# Allegro board RK3588S_Tablet_Demo_LP4XD200P232SD10H2_V11_20220218.brd (continued)
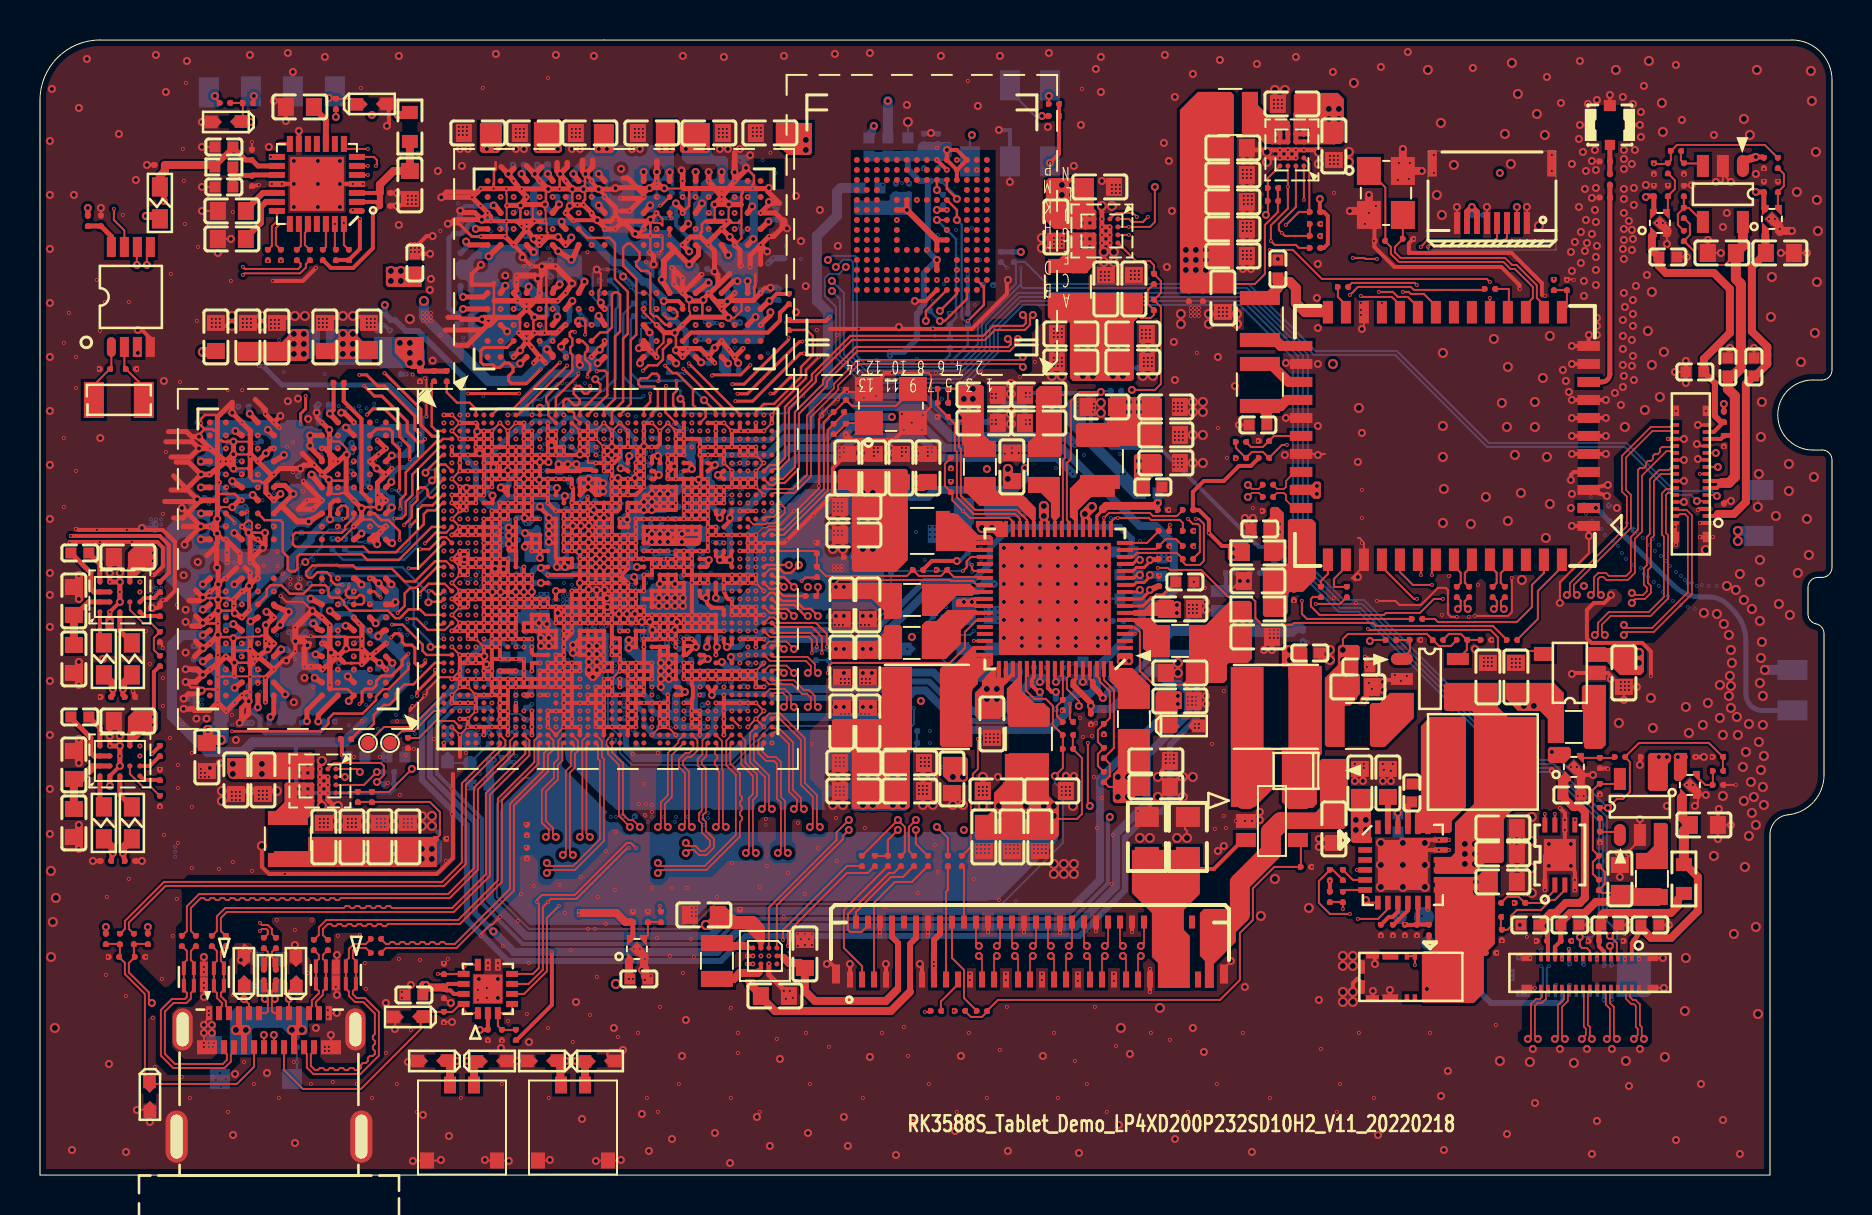
[diagram p0: board, top side]
## Nets (continued)
DDR_CH1_DQ7_C: U1000.D16(DDR_CH1_DQ7_C) U3801.B4(DQ7_A)
DDR_CH1_DQ7_D: U1000.C29(DDR_CH1_DQ7_D) U3801.AA4(DQ7_B)
DDR_CH1_DQ8_C: U1000.D10(DDR_CH1_DQ8_C) U3801.B11(DQ8_A)
DDR_CH1_DQ8_D: U1000.D34(DDR_CH1_DQ8_D) U3801.AA11(DQ8_B)
DDR_CH1_DQ9_C: U1000.B12(DDR_CH1_DQ9_C) U3801.C11(DQ9_A)
DDR_CH1_DQ9_D: U1000.D29(DDR_CH1_DQ9_D) U3801.Y11(DQ9_B)
DDR_CH1_DQ10_C: U1000.A12(DDR_CH1_DQ10_C) U3801.E11(DQ10_A)
DDR_CH1_DQ10_D: U1000.E29(DDR_CH1_DQ10_D) U3801.V11(DQ10_B)
DDR_CH1_DQ11_C: U1000.C10(DDR_CH1_DQ11_C) U3801.F11(DQ11_A)
DDR_CH1_DQ11_D: U1000.E32(DDR_CH1_DQ11_D) U3801.U11(DQ11_B)
DDR_CH1_DQ12_C: U1000.C13(DDR_CH1_DQ12_C) U3801.F9(DQ12_A)
DDR_CH1_DQ12_D: U1000.B32(DDR_CH1_DQ12_D) U3801.U9(DQ12_B)
DDR_CH1_DQ13_C: U1000.E13(DDR_CH1_DQ13_C) U3801.E9(DQ13_A)
DDR_CH1_DQ13_D: U1000.C34(DDR_CH1_DQ13_D) U3801.V9(DQ13_B)
DDR_CH1_DQ14_C: U1000.A16(DDR_CH1_DQ14_C) U3801.C9(DQ14_A)
DDR_CH1_DQ14_D: U1000.C32(DDR_CH1_DQ14_D) U3801.Y9(DQ14_B)
DDR_CH1_DQ15_C: U1000.B16(DDR_CH1_DQ15_C) U3801.B9(DQ15_A)
DDR_CH1_DQ15_D: U1000.A32(DDR_CH1_DQ15_D) U3801.AA9(DQ15_B)
DDR_CH1_DQS0N_C: U1000.B9(DDR_CH1_DQS0N_C) U3801.E3(DQS0_C_A)
DDR_CH1_DQS0N_D: U1000.A41(DDR_CH1_DQS0N_D) U3801.V3(DQS0_C_B)
DDR_CH1_DQS0P_C: U1000.A9(DDR_CH1_DQS0P_C) U3801.D3(DQS0_T_A)
DDR_CH1_DQS0P_D: U1000.B41(DDR_CH1_DQS0P_D) U3801.W3(DQS0_T_B)
DDR_CH1_DQS1N_C: U1000.A4(DDR_CH1_DQS1N_C) U3801.E10(DQS1_C_A)
DDR_CH1_DQS1N_D: U1000.C36(DDR_CH1_DQS1N_D) U3801.V10(DQS1_C_B)
DDR_CH1_DQS1P_C: U1000.A3(DDR_CH1_DQS1P_C) U3801.D10(DQS1_T_A)
DDR_CH1_DQS1P_D: U1000.D36(DDR_CH1_DQS1P_D) U3801.W10(DQS1_T_B)
DDR_CH1_LP4/4X_CKE0_C: R3814.1 U1000.A18(DDR_CH1_LP4/4X_CKE0/LP5_CS0_C)
DDR_CH1_LP4/4X_CKE0_D: R3816.2 U1000.A35(DDR_CH1_LP4/4X_CKE0/LP5_CS0_D)
DDR_CH1_LP4/4X_CKE1_C: R3815.1 U1000.A13(DDR_CH1_LP4/4X_CKE1/LP5_CS1_C)
DDR_CH1_LP4/4X_CKE1_D: R3817.2 U1000.A31(DDR_CH1_LP4/4X_CKE1/LP5_CS1_D)
DDR_CH1_LP4/4X_CS0_C: U1000.B15(DDR_CH1_LP4/4X_CS0_C) U3801.H4(CS0_A)
DDR_CH1_LP4/4X_CS0_D: U1000.B30(DDR_CH1_LP4/4X_CS0_D) U3801.R4(CS0_B)
DDR_CH1_LP4/4X_CS1_C: U1000.A19(DDR_CH1_LP4/4X_CS1_C) U3801.H3(CS1_A)
DDR_CH1_LP4/4X_CS1_D: U1000.A23(DDR_CH1_LP4/4X_CS1_D) U3801.R3(CS1_B)
DDR_RESET: C3898.1 C3899.1 U1000.AG1(DDR_CH0_RESET_A) U3800.T11(RESET_N) U3801.T11(RESET_N)
EMMC_CLKOUT: C9634.2 R1309.2 U4000.M6(CLK)
EMMC_CMD: R4003.2 U1000.AE42(GPIO2_A0_U) U4000.M5(CMD)
EMMC_D0: R4002.2 U1000.Y41(GPIO2_D0_U) U4000.A3(DATA0)
EMMC_D1: U1000.Y40(GPIO2_D1_U) U4000.A4(DATA1)
EMMC_D2: U1000.AA41(GPIO2_D2_U) U4000.A5(DATA2)
EMMC_D3: U1000.AA42(GPIO2_D3_U) U4000.B2(DATA3)
EMMC_D4: U1000.AB42(GPIO2_D4_U) U4000.B3(DATA4)
EMMC_D5: U1000.AD42(GPIO2_D5_U) U4000.B4(DATA5)
EMMC_D6: U1000.AD41(GPIO2_D6_U) U4000.B5(DATA6)
EMMC_D7: U1000.AE41(GPIO2_D7_U) U4000.B6(DATA7)
EMMC_DATA_STROBE: R4005.1 U1000.AC40(GPIO2_A2_D)
EMMC_RSTN: R4004.2 U1000.AD40(GPIO2_A3_D) U4000.K5(RST_N)
FLASH_LED: C9615.1 J1.1 U7003.3(OUT)
FLASH_LED_EN: U1000.AV39(GPIO3_B1_D) U7003.4(CTRL)
GAUGE_ALRT: U1000.AG39(GPIO0_D0_D) U2000.5(ALRT_N)
HDMI/EDP_TX0_REXT: R1708.1 U1000.AY3(HDMI/EDP_TX0_REXT)
HOST_WAKE_BT: R6338.2 U6300.49(BT_WAKE)
HOST_WAKE_BT_H: R6338.1 U1000.AH42(GPIO0_C6_U)
I2C0_SCL_M2: R1111.2 U1000.AH41(GPIO0_D1_U) U2300.A3(SCL) U2301.A3(SCL)
I2C0_SDA_M2: R1112.2 U1000.AG41(GPIO0_D2_U) U2300.B1(SDA) U2301.B1(SDA)
I2C2_SCL_M0: R1113.2 U1000.AK39(GPIO0_B7_D) U2302.A3(SCL)
I2C2_SDA_M0: R1114.2 U1000.AM40(GPIO0_C0_D) U2302.B1(SDA)
I2C3_SCL_M1_SENSOR: J7002.3 J7007.1 R1904.2 U1000.AY34(GPIO3_B7_D)
I2C3_SDA_M1_SENSOR: J7002.4 J7008.1 R1905.2 U1000.AR36(GPIO3_C0_D)
I2C4_SCL_M3_TP: R1911.2 R5515.1 R9698.1 U1000.L39(GPIO1_A3_D)
I2C4_SDA_M3_TP: R1910.2 R5516.1 R9699.1 U1000.D38(GPIO1_A2_D)
I2C5_SCL_M3_CAM: J4700.4 R1916.2 U1000.L38(GPIO1_B6_U)
I2C5_SDA_M3_CAM: J4700.5 R1917.2 U1000.F37(GPIO1_B7_U)
I2C6_SCL_M3: R1914.2 R9685.1 U1000.AU22(GPIO4_B1_U) U2000.7(SCL) U2102.6(SCL) U2600.6(SCL)
I2C6_SDA_M3: R1915.2 R9686.1 U1000.AW27(GPIO4_B0_D) U2000.8(SDA) U2102.5(SDA) U2600.7(SDA)
I2C7_SCL_M0_CODEC: R1510.2 U1000.U37(GPIO1_D0_D) U7000.28(CCLK) U7004.E4(SCL) U7005.E4(SCL)
I2C7_SDA_M0_CODEC: R1509.2 U1000.U38(GPIO1_D1_D) U7000.27(CDATA) U7004.E3(SDA) U7005.E3(SDA)
I2C8_SCL_M2_CAM: J4600.4 R1921.2 U1000.L37(GPIO1_D6_U)
I2C8_SDA_M2_CAM: J4600.5 R1922.2 U1000.G38(GPIO1_D7_U)
I2C_ADDR_CE: R7009.1 U7000.26(CE)
I2S0_LRCK_TX: U1000.P39(GPIO1_C5_D) U7000.7(LRCK)
I2S0_MCLK: U1000.U36(GPIO1_C2_D) U7000.1(MCLK)
I2S0_SCLK_TX: U1000.M42(GPIO1_C3_D) U7000.5(SCLK)
I2S0_SDI0: U1000.N42(GPIO1_D4_D) U7000.8(ASDOUT)
I2S0_SDO0: U1000.P41(GPIO1_C7_D) U7000.6(DSDIN)
I2S2_LRCK_M1_BT: U1000.AW37(GPIO3_B6_D) U6300.21(BT_PCM_SYNC)
I2S2_SCLK_M1_BT: U1000.AY35(GPIO3_B5_U) U6300.22(BT_PCM_CLK)
I2S2_SDI_M1_BT: U1000.AW34(GPIO3_B2_D) U6300.19(BT_PCM_OUT)
I2S2_SDO_M1_BT: U1000.AW35(GPIO3_B3_U) U6300.20(BT_PCM_IN)
LCD_BL_PWM14_M1: R5605.1 U1000.AT15(GPIO4_B2_U)
LCD_ENN_H: J7012.A1(ENN) U1000.M40(GPIO1_A5_D)
LCD_ENP_H: J7012.B1(ENP) U1000.G39(GPIO1_B1_D)
LCD_PWREN_H: R9694.1 U1000.AY19(GPIO4_A3_D)
LCD_RESET_L: R5512.1 U1000.H39(GPIO1_B0_U)
LEDA: C5607.1 D5600.2(K) J5500.60 J5500.61 U5602.5(OV)
LEDK: J5500.52 J5500.53 J5500.54 J5500.55 J5500.56 J5500.57 R5609.1 R5613.1 U5602.3(FB)
LOUT2: C9624.1 U7000.15(LOUT2)
MIC1N: C7010.2 J7014.2
MIC1P: C7009.2 J7014.1
MIC2N: C7012.2 J7014.24
MIC2P: C7011.2 J7014.23
MIPI_CAM1_CLKOUT: J4700.11 U1000.AV37(GPIO3_A6_D)
MIPI_CAM1_PWREN_H: R4733.1 R4734.1 R4740.1 R4760.1 U1000.G37(GPIO1_A4_D)
MIPI_CAM1_RST_L: J4700.8 U1000.M38(GPIO1_B2_D)
MIPI_CAM3_CLKOUT: J4600.11 U1000.AR39(GPIO3_B0_U)
MIPI_CAM3_PDN_L: J4600.9 U1000.AV30(GPIO3_C6_U)
MIPI_CAM3_PWREN_H: R4638.1 R4639.1 R4644.1 R9668.1 U1000.AV34(GPIO3_C5_U)
MIPI_CAM3_RST_L: J4600.8 U1000.AU34(GPIO3_C4_U)
MIPI_CSI0_RX_CLK0N: J4600.22 U1000.AN41(MIPI_CSI0_CLK0N)
MIPI_CSI0_RX_CLK0P: J4600.23 U1000.AN42(MIPI_CSI0_CLK0P)
MIPI_CSI0_RX_D0N: J4600.16 U1000.AL41(MIPI_CSI0_D0N)
MIPI_CSI0_RX_D0P: J4600.17 U1000.AL42(MIPI_CSI0_D0P)
MIPI_CSI0_RX_D1N: J4600.19 U1000.AK42(MIPI_CSI0_D1N)
MIPI_CSI0_RX_D1P: J4600.20 U1000.AK41(MIPI_CSI0_D1P)
MIPI_CSI0_RX_D2N: J4600.25 U1000.AT42(MIPI_CSI0_D2N)
MIPI_CSI0_RX_D2P: J4600.26 U1000.AT41(MIPI_CSI0_D2P)
MIPI_CSI0_RX_D3N: J4600.28 U1000.AP41(MIPI_CSI0_D3N)
MIPI_CSI0_RX_D3P: J4600.29 U1000.AP42(MIPI_CSI0_D3P)
MIPI_D/C_PHY0_VREG: C1604.1 U1000.AT33(MIPI_D/C_PHY0_VREG)
MIPI_D/C_PHY1_VREG: C1612.1 U1000.AT27(MIPI_D/C_PHY1_VREG)
MIPI_DPHY0_RX_CLKN: J4700.22 U1000.BA41(MIPI_DPHY0_RX_CLKN/MIPI_CPHY0_R)
MIPI_DPHY0_RX_CLKP: J4700.23 U1000.BB41(MIPI_DPHY0_RX_CLKP/MIPI_CPHY0_R)
MIPI_DPHY0_RX_D0N: J4700.16 U1000.BB38(MIPI_DPHY0_RX_D0N/MIPI_CPHY0_RX)
MIPI_DPHY0_RX_D0P: J4700.17 U1000.BA38(MIPI_DPHY0_RX_D0P/MIPI_CPHY0_RX)
MIPI_DPHY0_RX_D1N: J4700.19 U1000.AY40(MIPI_DPHY0_RX_D1N/MIPI_CPHY0_RX)
MIPI_DPHY0_RX_D1P: J4700.20 U1000.BA40(MIPI_DPHY0_RX_D1P/MIPI_CPHY0_RX)
MIPI_DPHY0_RX_D2N: J4700.25 U1000.BA42(MIPI_DPHY0_RX_D2N/MIPI_CPHY0_RX)
MIPI_DPHY0_RX_D2P: J4700.26 U1000.AY42(MIPI_DPHY0_RX_D2P/MIPI_CPHY0_RX)
MIPI_DPHY0_RX_D3N: J4700.28 U1000.AW42(MIPI_DPHY0_RX_D3N/MIPI_CPHY0_RX)
MIPI_DPHY0_RX_D3P: J4700.29 U1000.AW41(MIPI_DPHY0_RX_D3P/NO_USE)
MIPI_DPHY0_TX_CLKN: J5500.28 U1000.BA34(MIPI_DPHY0_TX_CLKN/MIPI_CPHY0_T)
MIPI_DPHY0_TX_CLKP: J5500.29 U1000.BB34(MIPI_DPHY0_TX_CLKP/MIPI_CPHY0_T)
MIPI_DPHY0_TX_D0N: J5500.25 U1000.BA31(MIPI_DPHY0_TX_D0N/MIPI_CPHY0_TX)
MIPI_DPHY0_TX_D0P: J5500.26 U1000.BB31(MIPI_DPHY0_TX_D0P/MIPI_CPHY0_TX)
MIPI_DPHY0_TX_D1N: J5500.31 U1000.BB32(MIPI_DPHY0_TX_D1N/MIPI_CPHY0_TX)
MIPI_DPHY0_TX_D1P: J5500.32 U1000.BA32(MIPI_DPHY0_TX_D1P/MIPI_CPHY0_TX)
MIPI_DPHY0_TX_D2N: J5500.34 U1000.BB35(MIPI_DPHY0_TX_D2N/MIPI_CPHY0_TX)
MIPI_DPHY0_TX_D2P: J5500.35 U1000.BA35(MIPI_DPHY0_TX_D2P/MIPI_CPHY0_TX)
MIPI_DPHY0_TX_D3N: J5500.22 U1000.BA37(MIPI_DPHY0_TX_D3N/MIPI_CPHY0_TX)
MIPI_DPHY0_TX_D3P: J5500.23 U1000.BB37(MIPI_DPHY0_TX_D3P/NO_USE)
MIPI_DPHY1_TX_CLKN: J5500.43 U1000.BA19(MIPI_DPHY1_TX_CLKN/MIPI_CPHY1_T)
MIPI_DPHY1_TX_CLKP: J5500.44 U1000.BB19(MIPI_DPHY1_TX_CLKP/MIPI_CPHY1_T)
MIPI_DPHY1_TX_D0N: J5500.40 U1000.BA16(MIPI_DPHY1_TX_D0N/MIPI_CPHY1_TX)
MIPI_DPHY1_TX_D0P: J5500.41 U1000.BB16(MIPI_DPHY1_TX_D0P/MIPI_CPHY1_TX)
MIPI_DPHY1_TX_D1N: J5500.46 U1000.BB17(MIPI_DPHY1_TX_D1N/MIPI_CPHY1_TX)
MIPI_DPHY1_TX_D1P: J5500.47 U1000.BA17(MIPI_DPHY1_TX_D1P/MIPI_CPHY1_TX)
MIPI_DPHY1_TX_D2N: J5500.49 U1000.BB20(MIPI_DPHY1_TX_D2N/MIPI_CPHY1_TX)
MIPI_DPHY1_TX_D2P: J5500.50 U1000.BA20(MIPI_DPHY1_TX_D2P/MIPI_CPHY1_TX)
MIPI_DPHY1_TX_D3N: J5500.37 U1000.BA22(MIPI_DPHY1_TX_D3N/MIPI_CPHY1_TX)
MIPI_DPHY1_TX_D3P: J5500.38 U1000.BB22(MIPI_DPHY1_TX_D3P/NO_USE)
MIPI_TE0: R5511.1 U1000.AV40(GPIO3_C2_D)
OTG0_REXT: R1404.1 U1000.AU7(TYPEC0_USB20_OTG0_REXT)
PCIE20_0_REFCLKN: C6322.2 U1000.K41(PCIE20_0_REFCLKN)
PCIE20_0_REFCLKP: C6321.2 U1000.L42(PCIE20_0_REFCLKP)
PCIE20_0_RXN: C6241.2 U1000.J41(PCIE20_0_RXN/SATA30_0_RXN)
PCIE20_0_RXP: C6240.2 U1000.J42(PCIE20_0_RXP/SATA30_0_RXP)
PCIE20_0_TXN: C6312.2 U1000.H42(PCIE20_0_TXN/SATA30_0_TXN)
PCIE20_0_TXP: C6311.2 U1000.H41(PCIE20_0_TXP/SATA30_0_TXP)
PCIE20_CLKREQN_1V8: R6331.2 U6300.37(PCIE_CLKREQ_L)
PCIE20_PERSTN_1V8: C6230.1 R6334.2 U6300.12(PCIE_PERST_L)
PCIE20_WAKEN_1V8: R6333.2 U6300.24(PCIE_PME_L)
PCIE20X1_2_CLKREQN_M0: R6331.1 U1000.AU30(GPIO3_C7_U)
PCIE20X1_2_PERSTN_M0: R6334.1 U1000.AY27(GPIO3_D1_D)
PCIE20X1_2_WAKEN_M0: R6333.1 U1000.AW31(GPIO3_D0_U)
PCIE_RDN: C6312.1 U6300.44(PCIE_RX_N)
PCIE_RDP: C6311.1 U6300.45(PCIE_RX_P)
PCIE_REFCLKN: C6322.1 U6300.33(PCIE_RCLK_N)
PCIE_REFCLKP: C6321.1 U6300.35(PCIE_RCLK_P)
PCIE_TDN: C6241.1 U6300.46(PCIE_TX_N)
PCIE_TDP: C6240.1 U6300.47(PCIE_TX_P)
PMIC_EXT_EN_OUT: R2312.1 U2200.39((M\/S)EXT_EN)
PMIC_FB6: C2216.2 R2218.2 R2227.1 U2200.31(FB6)
PMIC_FB9: C2229.2 R2236.2 R2241.1 U2200.66(FB9)
PMIC_INT_L: R2261.2 U1000.W42(GPIO0_A7_U) U2200.19(INT)
PMIC_PWR_CTRL2: R2242.2 R2244.1 U2200.61(PWRCTRL2)
PMIC_PWR_CTRL3: R2290.2 R2291.1 U2200.16((PWRCTRL3)SO)
PMIC_RESET_L: C1110.1 C2262.1 R1104.1 R2263.2 U1000.V42(NPOR) U2200.40(RESETB)
PMIC_SPI_CLK: R1115.2 U2200.17((SCL)CLK)
PMIC_SPI_CS: R2258.1 U1000.W40(GPIO0_B1_Z) U2200.18((IIC/S\P\I\)CS)
PMIC_SPI_MOSI: R1116.2 U1000.Y38(GPIO0_B3_Z) U2200.15((SDA)MOSI)
PMIC_SW1: L2201.1 U2200.50(SW1_1) U2200.51(SW1_2)
PMIC_SW2: L2203.1 U2200.35(SW2_1) U2200.36(SW2_2)
PMIC_SW3: L2205.1 U2200.55(SW3)
PMIC_SW4: L2207.1 U2200.23(SW4)
PMIC_SW5: L2200.2 U2200.45(SW5)
PMIC_SW6: L2202.2 U2200.29(SW6)
PMIC_SW7: L2209.1 U2200.42(SW7)
PMIC_SW8: L2206.2 U2200.6(SW8)
PMIC_SW9: L2204.2 U2200.68(SW9)
PMIC_SW10: L2208.2 U2200.26(SW10)
PMIC_VDC: C2260.1 D2600.2(CATHODE) R2264.2 R2265.2 U2200.32(VDC)
PWRON_L: C2261.1 R9205.1 U2200.4(PWRON)
RGB_INT_L: J7009.1 U1000.AV35(GPIO3_B4_U)
ROUT2: C7029.1 U7000.14(ROUT2)
RTC_32K_IN: R2116.2 U1000.AD38(GPIO0_B2_U)
RTC_INT_L: R2113.2 U1000.AC37(GPIO0_B0_Z) U2102.3(I\N\T\)
RTCIC_32KOUT: R2112.1 R2114.1 R2116.1 U2102.7(CLKOUT)
SARADC_VIN0_BOOT: C1500.1 R1501.2 R1502.1 R1513.1 U1000.AW15(SARADC_IN0_BOOT)
SARADC_VIN1_KEY/RECOVERY: C1501.1 D9200.1 R1500.1 R9200.1 R9201.2 U1000.AY13(SARADC_IN1)
SARADC_VIN2_LCD_ID: C1502.1 R5513.1 U1000.AV11(SARADC_IN2)
SARADC_VIN4_BATT_TC_L: BT2000.2 BT2000.3 C1504.1 U1000.AY15(SARADC_IN4)
SLEEP1_RESET1_DEVOFF1_VSEL1: U1000.W41(GPIO0_A2_D) U2200.62(PWRCTRL1)
SPI2_CLK_M2: R1115.1 U1000.Y39(GPIO0_A5_D)
SPI2_MOSI_M2: R1116.1 U1000.W39(GPIO0_A6_Z)
TP_INT_L: R5517.1 U1000.D40(GPIO1_B5_U)
TP_RST_L: R5518.1 U1000.M39(GPIO1_B4_U)
TSADC_SHUT: R1104.2 U1000.AC39(GPIO0_A1_Z)
TYPEC0_DP0_REXT: R1400.1 U1000.AW11(TYPEC0_DP0_REXT)
TYPEC0_OTG0DM: D2605.1 J2600.A7(DM1) J2600.B7(DM2) L2600.4 R2605.2
TYPEC0_OTG0DP: D2606.1 J2600.A6(DP1) J2600.B6(DP2) L2600.2 R2607.2
TYPEC0_OTG_DM: R2616.1 U1000.AY10(TYPEC0_USB20_OTG_DM)
TYPEC0_OTG_DP: R2617.1 U1000.AY11(TYPEC0_USB20_OTG_DP)
TYPEC0_OTG_VBUSDET: R2601.2 U1000.AV10(TYPEC0_USB20_VBUSDET)
TYPEC0_SBU1: C2600.1 U1000.BA8(TYPEC0_SBU1/DP0_AUXP)
TYPEC0_SBU1_DC: R2600.1 U1000.AV19(GPIO4_A0_D)
TYPEC0_SBU2: C2601.1 U1000.BB8(TYPEC0_SBU2/DP0_AUXN)
TYPEC0_SBU2_DC: R2604.1 U1000.AW18(GPIO4_A1_D)
TYPEC0_SSRX1N: R2608.1 U1000.BA10(TYPEC0_SSRX1N/DP0_TX0N)
TYPEC0_SSRX1P: R2609.1 U1000.BB10(TYPEC0_SSRX1P/DP0_TX0P)
TYPEC0_SSRX2N: R2610.1 U1000.BA13(TYPEC0_SSRX2N/DP0_TX2N)
TYPEC0_SSRX2P: R2611.1 U1000.BB13(TYPEC0_SSRX2P/DP0_TX2P)
TYPEC0_SSTX1N: C2603.1 U1000.BA11(TYPEC0_SSTX1N/DP0_TX1N)
TYPEC0_SSTX1P: C2604.1 U1000.BB11(TYPEC0_SSTX1P/DP0_TX1P)
TYPEC0_SSTX2N: C2605.1 U1000.BA14(TYPEC0_SSTX2N/DP0_TX3N)
TYPEC0_SSTX2P: C2606.1 U1000.BB14(TYPEC0_SSTX2P/DP0_TX3P)
TYPEC_CC1: C2612.1 D2603.1 J2600.A5(CC1) U2600.10(CC1_10) U2600.11(CC1_11)
TYPEC_CC2: C2613.1 D2604.1 J2600.B5(CC2) U2600.1(CC2_1) U2600.14(CC2_14)
TYPEC_SBU1: C2600.2 D2602.1 J2600.A8(SBU1) R2600.2 R2602.1
TYPEC_SBU2: C2601.2 D2601.1 J2600.B8(SBU2) R2603.1 R2604.2
TYPEC_SSRX1N: J2600.B10(SSRX1_N) R2608.2 U2602.5(IO4) U2602.6(NC_6)
TYPEC_SSRX1P: J2600.B11(SSRX1_P) R2609.2 U2602.4(IO3) U2602.7(NC_7)
TYPEC_SSRX2N: J2600.A10(SSRX2_N) R2610.2 U2603.5(IO4) U2603.6(NC_6)
TYPEC_SSRX2P: J2600.A11(SSRX2_P) R2611.2 U2603.4(IO3) U2603.7(NC_7)
TYPEC_SSTX1N: C2603.2 J2600.A3(SSTX1_N) U2602.1(IO1) U2602.10(NC_10)
TYPEC_SSTX1P: C2604.2 J2600.A2(SSTX1_P) U2602.2(IO2) U2602.9(NC_9)
TYPEC_SSTX2N: C2605.2 J2600.B3(SSTX2_N) U2603.1(IO1) U2603.10(NC_10)
TYPEC_SSTX2P: C2606.2 J2600.B2(SSTX2_P) U2603.2(IO2) U2603.9(NC_9)
UART2_RX_M0/JTAG_TMS_M2: R9301.1 U1000.AH40(GPIO0_B6_D)
UART2_TX_M0/JTAG_TCK_M2: R9300.1 U1000.AH39(GPIO0_B5_D)
UART9_CTSN_M2_BT: U1000.AY31(GPIO3_D3_D) U6300.42(BT_UART_RTS_N)
UART9_RTSN_M2_BT: U1000.AY30(GPIO3_D2_D) U6300.43(BT_UART_CTS_N)
UART9_RX_M2_BT: U1000.AV31(GPIO3_D4_D) U6300.40(BT_UART_TXD)
UART9_TX_M2_BT: U1000.AW30(GPIO3_D5_D) U6300.41(BT_UART_RXD)
UART_RX: ED9300.1 R9301.2 TP9111.1
UART_TX: ED9301.1 R9300.2 TP9110.1
USB_AVDD_1V8: C1406.1 R1401.1 R1402.1 U1000.AT13(USB20_AVDD_1V8_1) U1000.AT14(USB20_AVDD_1V8_2)
VSEL2: U1000.AD39(GPIO0_A3_D) U2300.A1(VSEL)
VSEL3: U1000.AM38(GPIO0_C1_D) U2302.A1(VSEL)
VSEL4: R2290.1 U1000.AG36(GPIO0_C2_D)
VSEL5: R2242.1 U1000.AH38(GPIO0_C3_D)
VSEL6: U1000.AG42(GPIO0_D6_D) U2301.A1(VSEL)
WIFI_REG_ON: R6316.2 U6300.15(WL_REG_ON)
WIFI_REG_ON_H: R6316.1 U1000.AL40(GPIO0_C7_D)
WIFI_WAKE_HOST_H: U1000.W38(GPIO0_A0_D) U6300.16(WL_HOST_WAKE/WL_GPIO_0)
XIN: C1112.1 R1102.2 U1000.T41(XIN_24M) Y1100.3(X2)
XIN_WIFI: C6314.1 U6300.13(XTAL_IN) Y6300.3(X2)
XOUT: R1100.2 R1102.1 U1000.T42(XOUT_24M)
XOUT_WIFI: C6315.1 U6300.14(XTAL_OUT) Y6300.1(X1)
N25387558: C6300.1 C6303.1 J9.1(SIG)
N25387568: C6303.2 C6306.1 U6300.9(WL_ANT1)
N25387586: L6301.1 U6300.28(ASR_VLX)
N25387590: C6320.1 L6301.2 U6300.29(ABUCK_1P12)
N25387712: C6301.1 C6304.1 J12.1
N25387764: C6304.2 C6307.1 U6300.2(WL_ANT0)
N25388000: L6300.2 U6300.26(CSR_VLX)
N25388004: C6313.1 L6300.1 U6300.25(CBUCK_0P9)
N26121442: C4626.1 R4638.2 U4600.N3(S\H\D\N\)
N26121973: C4627.1 R4639.2 U4601.N3(S\H\D\N\)
N26122105: C4629.2 R4645.2 R4651.1 U4602.4(ADJ)
N26122217: C4631.1 R4644.2 U4602.3(EN)
N26125088: C4724.1 R4733.2 U4700.N3(S\H\D\N\)
N26125215: C4721.2 R4735.1 R4736.1 U4701.5(FB/OUT)
N26125229: L4700.1 U4701.3(LX)
N26125328: C4725.1 R4734.2 U4701.1(EN)
N26125462: C4731.1 R4740.2 U4702.N3(S\H\D\N\)
N26153142: D9202.1 J7005.1 R9205.2
N26273886: J11.1 R9200.2
N27010371: C4008.1 U4000.C2(VDDI)
N27010421: R4005.2 R4006.1 U4000.H5(DATA STROBE)
N28612539: C7022.1 J7014.4 R7012.2
N28612838: C7003.1 C7004.1 R7000.2 U7000.17(AVDD)
N28612860: C7009.1 U7000.24(LIN1)
N28612862: C7011.1 U7000.22(LIN2)
N28612867: C7012.1 U7000.21(RIN2)
N28612875: C7014.1 U7000.19(ADCVREF)
N28612877: C7015.1 U7000.10(VREF)
N28612881: C7013.1 U7000.20(VMID)
N28613427: C7010.1 U7000.23(RIN1)
N29482643: R3816.1 U3801.P4(CKE0_B)
N29482645: R3817.1 U3801.P5(CKE1_B)
N29482655: R3803.1 U3801.T2(ODT_CA_B)
N29482661: R3802.2 U3801.G2(ODT_CA_A)
N29482667: R3805.2 U3801.A5(ZQ0)
N29482669: R3807.2 U3801.A8(ZQ1)
N29584131: R3810.2 U3800.J4(CKE0_A)
N29584146: R3811.2 U3800.J5(CKE1_A)
N29591638: J5500.2 R5517.2
N29591655: J5500.3 R5515.2
N29591672: J5500.4 R5516.2
N29591677: J5500.5 R5518.2
N29592152: J5500.17 R5512.2
N29592181: J5500.19 R5513.2
N29592186: J5500.20 R5511.2
N29597431: J7003.1 R9201.1
N29609736: R3814.2 U3801.J4(CKE0_A)
N29609761: R3815.2 U3801.J5(CKE1_A)
N29617073: D5600.1(A) L5600.2 U5602.1(SW)
N29617180: R5605.2 R5617.2 R5620.1 U5602.4(EN)
N29617809: J7012.D1(SWN) L6302.1
N29617812: J7012.C3(SWP) L6302.2
N29621076: L6303.2 U7003.1(LX)
N29669706: C9617.1 U7004.A3(CP2) U7004.B3(CP1)
N29669708: C9617.2 U7004.A4(CN)
N29669714: C9620.1 U7005.A3(CP2) U7005.B3(CP1)
N29669716: C9620.2 U7005.A4(CN)
N29669830: C9618.1 C9619.1 U7004.A2(PVDD2) U7004.B2(PVDD1)
N29669850: C9622.1 C9623.1 U7005.A2(PVDD2) U7005.B2(PVDD1)
N29669900: R9690.2 R9691.2 U7005.D2(AD1)
N29669948: R9689.2 U7004.D2(AD1)
N29669993: C7029.2 U7004.E2(INN)
N29670012: C9624.2 U7005.E2(INN)
N29670042: FB7002.1 U7004.C1(VON)
N29670044: C7036.1 ED7006.1 FB7002.2 J7001.1
N29670078: FB7006.1 U7005.C1(VON)
N29670080: C9627.1 ED7010.1 FB7006.2 J7013.1
N29670104: C7031.2 U7004.E1(INP)
N29670110: C9625.2 U7005.E1(INP)
N29670112: FB7003.1 U7004.A1(VOP)
N29670118: FB7007.1 U7005.A1(VOP)
N29670126: C7035.1 ED7007.1 FB7003.2 J7001.2
N29670132: C9626.1 ED7011.1 FB7007.2 J7013.2
N29751708: J7014.12 J7014.13 J7014.25 J7014.26 J7014.27
N29786974: C9630.1 R9694.2 U7006.N3(S\H\D\N\)
N30019538: J7012.B2(SCL) R9698.2
N30019585: J7012.C2(SDA) R9699.2
N30089984: D9203.1 R1513.2 TP5610.1
N30091084: C2125.1 U2102.2(OSCO) Y2100.1
N30091091: C2124.1 U2102.1(OSCI) Y2100.2
N30143913: TP9114.1 U1000.AT1(GPIO4_D3_U)
N30544599: C2505.1 U2501.23(PMID)
N30544653: C2506.1 L2500.1 U2501.19(SW1) U2501.20(SW2)
N30544707: C2506.2 U2501.21(BTST)
N30544750: R9685.2 U2501.5(SCL)
N30544769: R9686.2 U2501.6(SDA)
N30544817: R9687.2 U2501.9(C\E\)
N30544819: R2504.2 R2508.1 R2509.1 TP2502.1 U2501.11(TS/NTC)
N30544874: TP5611.1 U2501.12(Q\O\N\)
N30544884: R2507.1 U2501.10(ILIM)
N30546548: L2600.3 R2605.1 R2616.2
N30546566: L2600.1 R2607.1 R2617.2
N30547988: C2616.1 R2615.1 U2600.3(VDD_3) U2600.4(VDD_4)
N30550891: C2006.1 R9680.2 U2000.2(CELL)
N30550938: C2007.1 R2002.2 U2000.3(VDD)
N30600922: R1202.1 U1000.A5(DDR_CH1_ZQ_C)
N30600936: R1200.1 U1000.AM1(DDR_CH0_ZQ_A)
N30601110: R1201.1 U1000.C1(DDR_CH0_ZQ_B)
N30601240: R1203.1 U1000.A40(DDR_CH1_ZQ_D)
N30696429: TP9113.1 U1000.AV1(GPIO4_D2_U)
N30910269: C2265.1 U2200.8(NLDO5)
N30961579: L2302.1 U2302.D3(SW_1) U2302.D4(SW_2) U2302.E3(SW_3) U2302.E4(SW_4)
N30962042: C2328.1 R2312.2 U2303.1(EN)
N30962062: C2325.2 R2313.2 R2314.1 U2303.5(FB/OUT)
N30962090: L2303.1 U2303.3(LX)
N30962978: L2301.1 U2301.D3(SW_1) U2301.D4(SW_2) U2301.E3(SW_3) U2301.E4(SW_4)
N30963105: L2300.1 U2300.D3(SW_1) U2300.D4(SW_2) U2300.E3(SW_3) U2300.E4(SW_4)
N31111592: R1309.1 U1000.AB41(GPIO2_A1_D)
N32124849: R2310.1 R2359.2 U2304.4(EN)
N32124977: R2311.1 U2304.3(OCB)
N63380616: R3813.1 U3800.P5(CKE1_B)
N63380618: R3812.1 U3800.P4(CKE0_B)
N63380732: R3801.1 U3800.T2(ODT_CA_B)
N63380738: R3800.2 U3800.G2(ODT_CA_A)
N63380744: R3804.2 U3800.A5(ZQ0)
N63380746: R3806.2 U3800.A8(ZQ1)
N64919975: C1111.1 R1100.1 Y1100.1(X1)

Pads without a net: BT2000 4 6 7; J4700 9 15; J5500 10 58 59; J7012 A3; J7014 6 7 8 16 17 19 21; U1000 A6 A33 A37 A39 AC38 AG37 AH37 AK9 AM2 AR1 AR2 AR5 AR6 AR37 AR38 AT3 AT4 AT37 AT38 AT39 AT40 AU1 AU6 AU15 AU23 AU41 AU42 AV2 AV6 AV7 AV13 AV22 AV23 AV26 AV27 AV38 AW5 AW6 AW7 AW10 AW13 AW19 AW22 AW23 AW26 AW38 AY1 AY26 B6 B7 B13 B25 B37 B39 BA1 BA2 BA4 BA5 BA7 BA23 BA25 BA26 BA28 BA29 BB2 BB4 BB5 BB7 BB23 BB25 BB26 BB28 BB29 C3 C4 C8 C42 D8 D39 D41 D42 E3 E4 E41 F41 F42 G40 H1 H38 L40 M37 M41 P1 P38 P40 R38 R39 U35; U2200 2 3 38 47 48; U2501 2 3 24; U3800 A1 A2 A11 A12 AA1 AA12 AB1 AB2 AB11 AB12 B1 B12 G11 K5 K8 N5 N8; U3801 A1 A2 A11 A12 AA1 AA12 AB1 AB2 AB11 AB12 B1 B12 G11 K5 K8 N5 N8; U4000 A2 A7 A8 A9 A10 A11 A12 A13 A14 B1 B7 B8 B9 B10 B11 B12 B13 B14 C1 C3 C7 C8 C9 C10 C11 C12 C13 C14 D1 D2 D3 D4 D12 D13 D14 E1 E2 E3 E5 E8 E9 E10 E12 E13 E14 F1 F2 F3 F10 F12 F13 F14 G1 G2 G3 G10 G12 G13 G14 H1 H2 H3 H12 H13 H14 J1 J2 J3 J12 J13 J14 K1 K2 K3 K6 K7 K10 K12 K13 K14 L1 L2 L3 L12 L13 L14 M1 M2 M3 M7 M8 M9 M10 M11 M12 M13 M14 N1 N3 N6 N7 N8 N9 N10 N11 N12 N13 N14 P1 P2 P7 P8 P9 P10 P11 P12 P13 P14; U6300 17 18 48; U7000 9 11 12 25

## Via types
v1: diameter 0.2, hole 0.1, TOP to S03, 1506 vias
v2: diameter 0.4, hole 0.2, S03 to S08, 694 vias
v3: diameter 0.2, hole 0.1, S08 to BOTTOM, 702 vias
v4: diameter 0.5, hole 0.3, TOP to BOTTOM, 430 vias
v5: diameter 0.4, hole 0.2, TOP to BOTTOM, 1220 vias
v6: diameter 0.2, hole 0.1, TOP to GND02, 1194 vias
v7: diameter 0.2, hole 0.1, GND02 to S03, 668 vias
v8: diameter 0.2, hole 0.1, S08 to GND09, 418 vias
v9: diameter 0.2, hole 0.1, GND09 to BOTTOM, 293 vias

## Routing (per net, layer and track width the routed paths; a pad name or vN(x,y) marks a point on that pad's centre or on a via; arc(x,y) is an arc through that point)
AVDD1V8_DDR_PLL_S0: length 174.5
  TOP w0.15: U2200.58 50.04,24.98 v5(49.99,24.65)
  TOP w0.2: U1000.AR30 31.99,24.4 v5(32.24,24.15) 32.09,24 U1000.AT30 ; v3(28.99,24.4) v3(28.99,24.8) ; v5(29.71,29.9) 29.7,29.9 29.79,29.8 U1000.AB25 ; U1000.AL14 24.69,26 24.59,26.1 v3(24.59,26.4) ; v5(25.04,30.35) 25.07,30.33 25.14,30.4 U1000.Y14 ; U1000.L15 v5(25.84,34.35) ; U1000.N35 33.79,33.05 v5(33.99,32.85) U1000.N36 ; v5(34.09,25.65) U1000.AM35 ; U1000.G34 v5(33.74,35.5) U1000.H34
  TOP w0.4: R7001.1 18.49,53.1 18.37,53 v5(17.89,53)
  S03 w0.2: v3(28.99,24.4) v2(29.24,24.6) v3(28.99,24.8) ; v3(24.59,26.4) v2(24.64,26.1)
  S06 w0.3: v2(24.64,26.1) 24.59,26.15 24.59,26.44 24.44,26.59 22.7,26.59 ; 48.64,26.15 48.64,31.55 49.09,32 49.54,31.55 49.54,25.75 49.04,25.75 48.64,26.15
  S06 w0.4: v5(49.99,24.65) 49.99,25.4 49.64,25.75 49.54,25.75 ; 42.59,38 43.24,38 49.09,32.15 49.09,32 ; 42.59,38 40.89,38 40.39,38.5 40.39,39.65 v2(40.44,39.65) ; 42.59,38 v5(42.59,37.9) ; v2(13.19,20.6) 14.09,21.5 16.69,21.5 17.89,22.7 17.89,24.8 18.89,25.8 18.89,26.44 19.35,26.9 22.4,26.9 22.7,26.59
  S08 w0.1: 33.29,22.5 v3(33.19,22.4)
  S08 w0.2: v3(28.99,24.4) v2(29.24,24.6) v3(28.99,24.8) ; 25.77,24.5 25.59,24.33 25.59,23.27 25.39,23.07 25.39,21.94 24.96,21.5 24.54,21.5 v3(23.69,20.65) ; v3(24.59,26.6) v3(24.59,26.4) v2(24.64,26.1) ; v3(13.49,21) 13.49,20.9 v2(13.19,20.6) v3(13.19,21) ; v3(33.19,22.4) v3(33.19,22.6)
  S08 w0.3: v5(25.04,30.35) 25.44,29.95 26.43,29.95 26.69,30.22 26.69,30.58 26.61,30.67 26.61,30.67 26.14,31.14 26.14,33.21 26.69,33.76 26.69,34.14 26.43,34.4 25.89,34.4 v5(25.84,34.35) ; v5(29.71,29.9) 30.07,29.9 30.37,30.2 32.69,30.2 32.99,30.5 32.99,31.03 33.99,32.03 v5(33.99,32.85)
  S08 w0.4: v2(40.44,39.65) 40.44,41.4 41.29,42.25 41.29,48.46 39.49,50.26 39.49,52.61 38.1,54 18.89,54 v5(17.89,53) ; v5(34.09,25.65) 34.09,25.65 34.79,24.95 34.79,23.2 34.1,22.51 33.3,22.51 33.29,22.5 ; v2(29.24,24.6) 29.19,24.6 29.19,22.99 28.81,22.6 28.19,22.6 26.29,24.5 25.77,24.5 24.64,25.63 v2(24.64,26.1)
  BOTTOM w0.1: 28.99,24.6 28.69,24.6 28.69,24.63 ; 24.59,26.45 24.62,26.43 v3(24.59,26.4) ; 29.27,24.63 29.29,24.6 29.29,24.63 ; 24.57,26.63 v3(24.59,26.6)
  BOTTOM w0.2: 23.44,20.65 23.14,20.35 R1501.1 ; 23.44,20.65 v3(23.69,20.65) ; 23.44,20.65 23.44,21.2 23.46,21.2 R1500.2 ; v3(24.59,26.4) 24.59,26 24.49,25.9 24.29,25.9 ; v3(24.59,26.4) 24.34,26.4 24.34,26.63 24.29,26.63 ; v3(24.59,26.4) v3(24.59,26.6) 24.59,26.65 C1713.1 24.29,26.63 ; 24.29,26.63 24.29,25.9 ; 24.29,25.9 C1714.1 ; v3(33.19,22.6) v3(33.19,22.4) ; v5(25.84,34.35) C1214.1 ; v3(28.99,24.8) v3(28.99,24.4)
  BOTTOM w0.25: 28.69,24.63 29.29,24.63
  BOTTOM w0.3: 29.29,29.9 v5(29.71,29.9) C1114.1 ; 29.29,29.9 29.22,29.83 C1104.1 ; 29.29,29.9 29.1,29.9 29,30 28.5,30 28.4,29.9 27.57,29.9 27.42,30.05 26.67,30.05 26.57,29.95 25.44,29.95 v5(25.04,30.35) 24.78,30.35 C1209.1 ; 34.07,35.58 34.07,35.8 34.27,36 35.22,36 35.22,35.58 C1803.1 ; 34.07,35.58 33.82,35.58 v5(33.74,35.5) 33.44,35.2 33.44,34.75 33.59,34.6 33.59,34.05 33.54,34 33.54,33.5 33.84,33.2 C1100.1 33.99,33.15 v5(33.99,32.85) ; 34.07,35.58 C1802.1 ; 29.29,24.63 29.87,24.05 30.17,24.05 30.57,23.65 30.57,23.25 30.72,23.1 31.67,23.1 31.82,22.95 ; 31.82,23.68 31.82,24.03 31.94,24.15 v5(32.24,24.15) ; 50.19,24.85 C2249.1
  BOTTOM w0.35: C1600.1 34.84,25.3 34.44,25.3 v5(34.09,25.65)
  BOTTOM w0.4: 49.44,24.65 49.64,24.85 C2290.1 50.19,24.85 v5(49.99,24.65) 49.44,24.65 ; 49.44,24.65 49.44,24.55 48.09,23.2 46.59,23.2 44.68,25.12 43.17,25.12 42.36,24.3 37.17,24.3 36.52,24.95 C1601.1 C1600.1 ; v3(33.19,22.4) 32.09,22.4 31.82,22.68 31.82,23.68 ; v5(42.59,37.9) 40.38,37.9 39.33,36.85 37.23,36.85 36.38,36 35.22,36
GND: length 3091.7
  TOP w0.064: v1(35.79,32) 36.16,32.37 36.35,32.37 36.41,32.44 36.93,32.44 v6(37.69,33.2)
  TOP w0.1: v5(18.64,0.7) 18.67,0.73 J7001.3 20.02,0.73 v5(20.04,0.75) ; v6(31.06,46.95) 31.12,46.89 31.12,46.64 31.13,46.63 31.13,46.38 31.12,46.37 31.12,46.28 v1(30.93,46.09) ; v5(79.44,16.1) 79.49,16.15 79.49,16.25 79.99,16.75 U4701.2 v5(79.99,17.8) ; v5(82.19,36.8) J4600.18 ; 17.76,7.9 17.75,7.89 17.75,7.3 v5(17.74,7.3) ; 82.19,49.5 82.19,49.48 82.57,49.48 v5(82.59,49.5) ; 77.94,50.68 77.62,50.68 v5(77.59,50.7) ; U6300.23 66.19,42.3 v5(66.09,42.3) ; v4(57.35,16.85) 57.35,17.2 57.24,17.3 57.24,17.9 ; v5(82.19,33.65) J4600.27 ; v6(76.7,44.75) 76.67,44.78 76.34,44.78 76.35,44.77 v6(76.35,44.75) ; C4630.2 84.39,41.25 v5(84.49,41.35) ; v5(81.44,12.5) C4729.2 ; 41.29,39.15 v6(40.34,39.15) 40.15,39.15 39.9,38.9 v6(39.9,38.8) 39.81,38.8 39.1,38.09 v6(39.1,37.95) 38.94,37.79 v6(38.94,34.45) 38.94,34.33 37.82,33.2 v6(37.69,33.2) ; 28.64,5.7 28.37,5.97 28.37,6.09 28.53,6.25 v5(29.14,6.25) ; v5(8.19,10.9) v6(8.19,10.4) U2602.3 8.19,10.29 ; J2600.A1 8.45,7.97 v5(8.19,7.5) ; U2000.1 v1(75.24,14.25) ; v6(22.99,12.9) 22.62,12.53 22.52,12.53 22.04,12.05 v6(22.04,11.95) ; v6(73.69,13.6) 73.72,13.6 ; J4700.32 81.14,10.85 v5(81.14,10.85) ; J4700.3 v1(79.24,10.8) ; v5(72.34,48.4) 72.34,48.44 72.35,48.45 J7002.5 ; v5(82.84,36.55) 82.89,36.45 J4600.12 ; J7013.3 25.47,0.73 v5(25.49,0.75) ; v5(20.6,7.65) 20.19,7.65 20.19,7.63 ; v5(10.43,32.12) 10.59,32.29 10.59,32.63 10.5,32.72 ; v5(10.04,10.75) 10.19,11.5 10.21,11.52 10.55,11.19 10.19,10.84 ; v6(44.14,38) 44.54,38.4 44.54,39.99 44.43,40.1 v6(42.59,40.1) ; 77.84,9.19 v1(77.84,9.2) ; v5(69.09,50.2) 68.94,50.2 ; v6(41.79,38.95) Y1100.4 ; v1(27.39,36) 27.39,35.6 v1(27.79,35.6) ; v5(84.54,33.7) 84.19,33.7 84.19,33.58 ; v1(74.49,10.85) 74.34,10.85 J4700.31 ; 14.79,9.62 U2603.8 v6(14.79,9.4) 14.79,9 v5(14.84,9) ; v1(36.19,29.2) v6(35.79,29.6) ; v1(72.84,11.1) 72.82,11.1 ; U6300.32 64.24,36.05 63.89,36.01 v5(63.89,36) ; v5(74.34,48.4) 74.35,48.4 J7002.1 ; 20.19,8.83 20.19,8.75 20.29,8.75 v5(20.54,8.6) ; v5(8.09,51.4) C7016.2 ; v5(14.84,8.1) 14.69,8.1 14.68,8.09 J2600.A12 ; v5(83.89,16.8) C4704.2 v5(84.54,17.5) ; v5(88.34,46.1) C4604.2 v5(87.04,46.1) ; v5(18.39,5.65) 18.44,5.7 18.97,5.7 ; v6(31.79,37.2) v6(31.39,37.6) ; 8.19,9.52 U2602.8 v6(8.19,9.35) v5(8.19,8.9) ; v5(77.44,31.95) 77.44,31.09 75.99,29.64 v5(75.99,28.6) ; 14.55,6.39 14.55,7 v5(14.54,7) ; v5(70.84,48.4) 70.85,48.4 J7002.8 ; 77.94,48.88 77.62,48.88 v5(77.59,48.85) ; 31.12,47.47 30.99,47.6 30.69,47.6 v5(30.53,47.77) ; v5(22.24,0.75) 22.27,0.73 J7001.4 23.42,0.73 v5(23.44,0.7) ; v5(4.84,3.25) 4.86,3.27 5.49,3.27 v5(5.49,2.65) ; C6317.2 v5(60.39,29.7) 59.64,29.35 v5(59.99,29.7) ; v6(34.19,37.6) U1000.C37 ; C4619.2 v5(85.69,41.35) ; v5(79.19,23.75) C9615.2 v5(79.84,24.4) ; 81.37,47.1 81.34,47.08 v5(81.34,46.55) ; 24.47,5.7 24.45,5.7 24.4,5.65 24.17,5.65 24.12,5.7 v5(23.84,5.7) 23.24,5.7 23.24,5.7 ; v5(59.94,37.5) C6320.2 ; v1(36.19,37.2) v6(36.59,37.6) ; 73.97,44.3 v1(73.99,44.3) ; 5.99,26.63 5.99,26.6 6.04,26.6 v1(6.14,26.35) ; v1(71.74,27.95) 73.39,27.95 73.59,28.15 v1(73.59,29.85) ; 86.97,47.3 v1(86.99,47.3) 86.99,47.15 ; v5(78.99,14.9) C4700.2 78.99,15.7 78.94,15.75 v5(78.94,16.1) ; v1(3.39,10.9) 3.42,10.9 ; C7014.2 v5(8.09,48.2) ; v6(36.59,38) 36.7,38.15 36.7,38.25 38.3,39.85 38.3,40.26 v6(38.94,40.9) ; C7004.2 v5(8.09,49.4) ; v5(8.19,7.1) v6(8.19,6.6) v6(8.19,6.4) 8.19,6.39 8.35,6.39 ; v1(70.84,27.9) 70.54,27.9 70.39,28.05 70.39,29.25 70.29,29.35 69.89,29.35 69.04,28.5 67.97,28.5 67.77,28.7 v6(66.84,28.7) ; 8.66,52.65 8.69,52.62 v5(8.09,52.65) ; 57.67,29.4 57.69,29.4 v6(57.69,29.65) ; 14.79,10.39 14.84,10.39 v5(14.84,11) ; v5(65.89,29.9) 65.76,29.73 65.59,29.85 66.19,30.45 U6300.39 66.19,31.6 65.99,31.85 65.89,31.85 ; v6(35.79,22.8) v6(36.19,23.2) v6(35.79,23.6) ; v6(35.79,22.8) v6(35.39,22.4) ; v6(35.79,22.8) v6(36.19,22.4) ; v1(56.49,30.8) 56.47,30.8 ; v5(84.04,46.1) C4600.2 v5(83.39,46.75) ; v1(35.79,35.2) v1(36.19,35.6) ; v6(36.19,34) v6(35.79,34.4) ; C9629.2 30.29,9.7 v1(30.24,9.75) ; v1(73.09,11.7) 73.09,11.73 ; v5(82.19,35.75) J4600.21 ; v5(82.34,45.9) C4623.2 ; v1(5.29,10.9) 5.27,10.9 ; v5(79.44,12.5) C4706.2 ; v5(27.79,0.7) 27.82,0.73 J7013.4 29.02,0.73 v5(29.04,0.75) ; v5(83.79,49.65) 84.14,49.65 U4602.2 84.19,50.4 84.19,50 v5(84.54,49.65) ; v5(18.54,9.5) 18.45,9.25 18.24,9.04 C2614.2 ; J4700.33 74.34,9.35 v1(74.74,9.35) ; v5(81.74,40.15) C4602.2 ; 60.14,17.7 v6(60.24,17.7) U5602.2 60.49,17.7 60.84,18.05 60.99,17.9 v5(60.99,17.75) ; v1(75.24,43.95) 75.17,43.95 75.12,44 75.09,44 ; v5(3.04,48.35) 3.04,47.98 ; 32.2,49.32 31.22,49.32 v5(31.21,49.33) ; v1(68.69,46.8) 68.67,46.8 ; v1(66.69,46.7) 66.72,46.7 ; J4600.10 82.94,35.75 v5(82.89,35.8) ; J5500.63 59.2,10.32 59.54,10.67 v5(59.54,10.7) ; J4600.15 v5(82.89,37.5) ; v6(31.39,22.4) v6(31.79,22) ; v5(77.44,12.5) C4722.2 ; 12.79,10.84 12.79,11.23 12.77,11.25 12.77,11.5 v5(12.74,11.5) ; v5(82.19,34.7) J4600.24 ; v5(81.19,9.35) 81.19,9.36 J4700.34 ; v6(35.79,25.2) v6(36.19,25.6) ; v5(9.54,46.8) C7013.2 ; v5(82.74,18.45) 82.89,18.45 82.89,18.98 82.87,19 v5(83.29,19) ; v1(30.59,22) v1(30.99,22.4) ; v1(76.74,14.25) v1(76.74,14.75) ; 5.99,18.43 v1(5.99,18.4) ; v1(84.79,19.5) 84.17,19.5 ; 75.74,9.19 v1(75.74,9.2) ; v6(28.99,37.6) v6(28.59,37.2) ; v1(10.59,51.65) 10.59,51.28
  TOP w0.102: 34.39,47.61 34.62,47.61 ; 34.62,47.61 34.43,47.8 ; 34.62,47.61 34.9,47.61 ; 8.87,33.55 9.03,33.39 9.1,33.39 ; 31.22,42.12 31.18,42.08 31.18,41.62 30.83,41.28 v6(30.83,40.9) ; U1000.B17 v6(26.99,37.2) ; 27.79,36.88 v1(27.79,36.8) v1(28.19,36.4) ; 24.63,47.87 24.63,47.78 v6(24.72,47.69) ; 24.63,47.87 24.63,48.45 24.71,48.52 ; 24.63,47.87 24.46,47.69 ; v5(13.62,28.2) 13.16,28.66 12.32,28.66 v1(12.03,28.95) ; 10.33,26.23 9.75,26.23 9.67,26.31 ; 10.33,26.23 10.42,26.23 v6(10.51,26.32) ; 10.33,26.23 10.51,26.05 ; v6(23.31,49.32) 23.31,49.05 23.33,49.03 23.33,47.71 v6(23.31,47.69) 23.33,47.67 23.33,47 v6(23.26,46.92) ; 34.43,47.8 34.43,48.23 34.44,48.24 v5(34.44,48.53) ; 34.43,47.8 34.43,47.79 v6(34.32,47.68) ; v6(20.59,34) v6(20.59,33.6) U1000.N3 v6(20.59,32.8) v6(20.99,32.4) U1000.T2 ; 34.9,47.61 35.07,47.78 ; 34.9,47.61 35.04,47.61 35.07,47.58 ; 35.07,47.78 35.07,48.52 ; 35.07,47.78 35.07,47.58 ; v6(20.99,24.4) v6(20.59,24) ; 35.07,47.58 35.07,46.84 v6(34.73,46.5) ; 28.87,34.8 28.87,34.79 28.86,34.8 v5(28.89,34.85) ; U1000.K3 v1(20.59,34.8) v6(20.99,35.2) ; v1(21.8,26.81) 21.8,26.8 v1(22.19,26.4) ; v5(25.24,48.53) 25.24,48.27 25.28,48.23 25.28,47.75 v6(25.23,47.69) 25.33,47.59 25.33,47.18 25.38,47.13 25.38,46.9 ; 22.2,34.4 22.2,34.41 ; 14.47,36.78 14.57,36.68 14.98,36.68 15.33,36.32 v5(15.33,36.01) ; 31.12,47.47 31.12,47.81 U3801.P10 v6(30.81,48.09) ; 33.73,47.84 33.73,47.83 33.88,47.68 ; 33.73,47.84 33.73,48.52 v5(33.73,48.53) ; 33.73,47.84 33.57,47.68 ; v6(21.39,22.4) v1(20.99,22) v6(20.59,22.4) ; 10.52,35.48 10.37,35.33 10.35,35.33 ; v6(20.99,31.2) v1(20.59,30.8) U1000.Y3 ; v1(28.99,25.2) v1(28.59,24.8) ; v1(20.99,25.2) v1(20.59,24.8) 20.6,24.8 20.59,24.8 20.5,24.89 19.99,24.89 19.35,24.25 19.35,24.09 ; v6(14.89,31.78) 15.06,31.78 15.69,32.41 v6(15.69,32.43) ; v6(20.59,27.2) v6(20.99,27.6) v6(20.59,28) 20.97,28.38 v1(21,28.38) 21,28.39 v6(20.59,28.8) v6(20.99,29.2) v6(20.59,29.6) v1(20.99,30) ; v6(22.59,37.2) v6(22.99,37.6) v6(23.39,37.2) v1(23.79,37.6) ; 19.12,23.83 18.49,23.2 18.49,23.33 v6(18.62,23.45) ; 19.12,23.83 19.35,24.06 19.35,24.09 ; 19.12,23.83 19.12,23.86 v1(19.22,23.96) 19.35,24.09 ; v6(31.39,37.6) v6(30.99,37.2) v1(30.59,37.6) ; v6(20.99,36.8) v6(20.59,37.2) 20.99,37.6 v1(20.99,37.6) ; 10.59,36.21 10.59,36.49 10.41,36.67 v5(9.67,36.67) ; 10.59,36.21 10.4,36.03 ; 10.59,36.21 10.59,35.99 ; v6(28.59,37.2) v6(28.19,37.6) v1(27.79,37.2) ; 9.1,33.39 8.87,33.17 ; 9.1,33.39 v5(9.62,33.39) ; v1(21.39,24.4) U1000.AT5 ; 10.35,35.33 9.67,35.33 v5(9.67,35.32) ; 10.35,35.33 10.52,35.17 ; v6(30.83,42.5) 30.81,42.5 30.18,43.13 v1(30.18,43.3) ; 14.42,34.05 15,34.05 15.04,34.1 15.29,34.1 15.31,34.12 ; U1000.C24 v6(28.99,37.6) ; v6(26.19,22.4) U1000.BA15 25.64,22.15 25.64,22.16 25.4,22.4 v6(25.39,22.4) ; v6(11.27,24.86) 11.2,24.93 10.53,24.93 v6(10.51,24.91) 10.49,24.93 9.17,24.93 9.15,24.91 v6(8.88,24.91) ; 34.59,35.13 v2(34.59,35.2) 34.49,35.3 34.49,35.31 34.35,35.45 34.34,35.45 v1(34.19,35.6) ; 16.08,32.82 16.12,32.78 16.57,32.78 16.92,32.43 v6(17.29,32.43) ; v6(10.52,35.92) 10.41,36.03 10.4,36.03 ; U1000.B3 v6(20.59,38) ; v5(27.84,45.28) 28.04,45.07 28.04,44.34 27.93,44.23 27.93,43.74 v5(28.04,43.63) ; v6(20.59,26.4) v6(20.99,26) ; 11.29,26.98 11.07,26.98 11.02,26.93 10.61,26.93 v6(10.51,26.82) 10.45,26.88 9.97,26.88 9.93,26.84 v5(9.67,26.84) ; v1(21.39,22.8) v1(21.79,23.2) ; 32.52,42.89 32.5,42.91 32.5,43.16 32.46,43.2 v5(32.46,43.78) ; 10.4,36.03 9.97,36.03 9.96,36.04 9.67,36.04 ; v5(34.41,42.86) 34.72,42.86 35.08,43.22 35.08,43.68 35.13,43.72 ; 22.8,32 v1(22.88,32.09) 22.99,32.2 ; U3800.P10 10.39,32.72 10.5,32.72 ; v6(35.79,36) v1(36.19,35.6) ; v1(19.25,39.84) 19.32,39.76 v6(19.32,37.93) ; v1(24.6,32.8) U1000.P12 ; v1(16.49,29.83) 16.49,29.83 v1(16.49,29.83)